# KiCad board keyboard.kicad_pcb (continued)
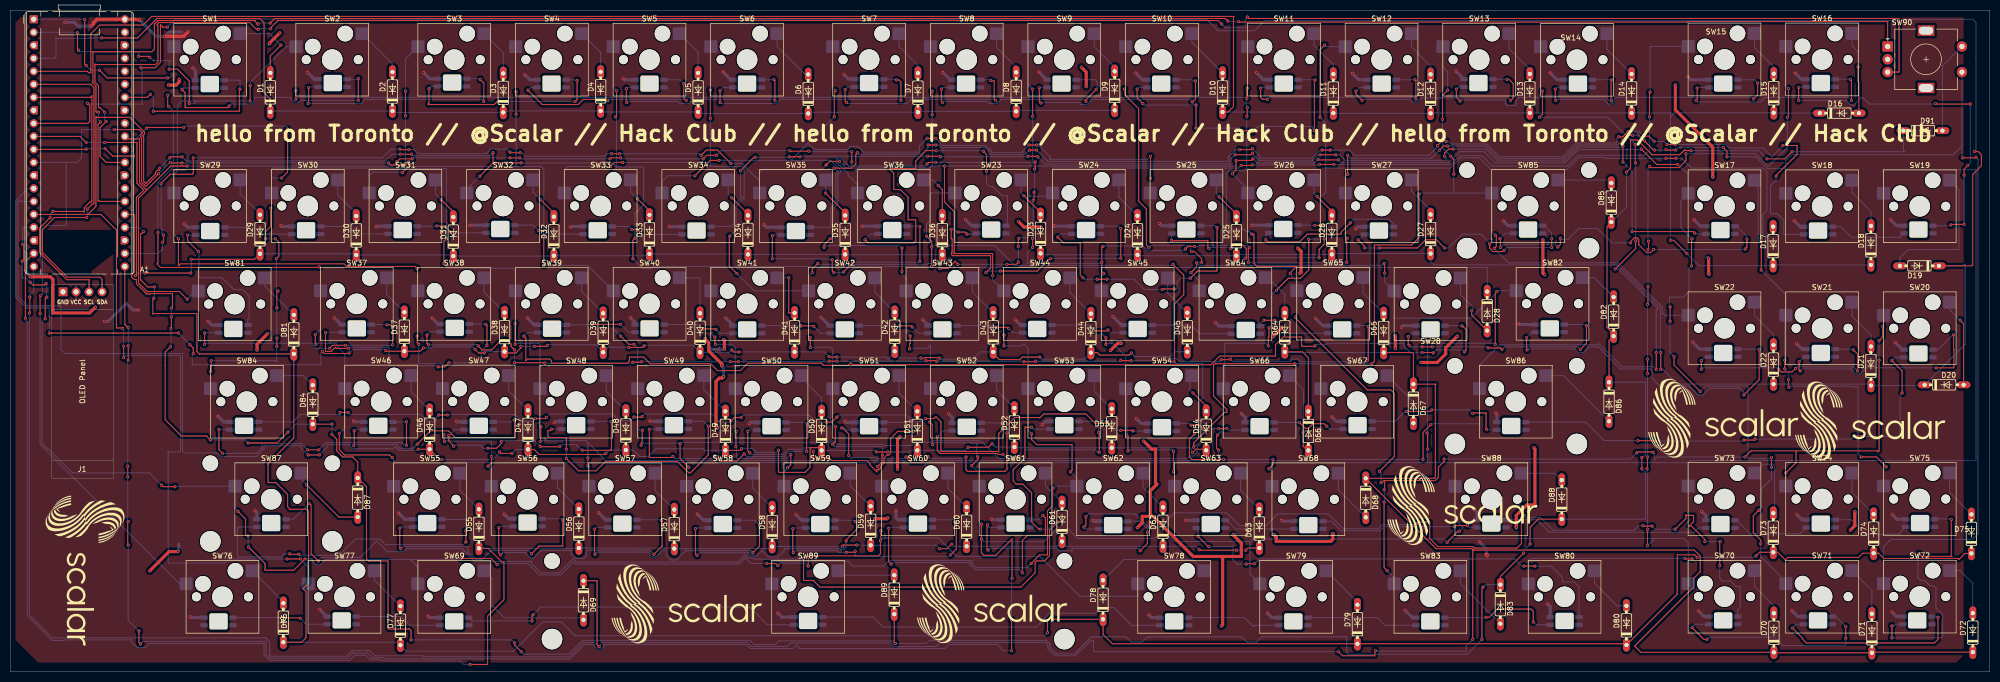
[diagram p0: board, top side]
## Routing (per net, layer and track width the routed paths; a pad name or vN(x,y) marks a point on that pad's centre or on a via; arc(x,y) is an arc through that point) (continued)
Net-(LED36-DOUT): length 203.9
  Top w0.2: v1(104.32,60.22) 104.22,60.32 v1(98.43,60.32) ; v1(238.12,61.03) 238.03,60.93 v1(236.33,60.93) ; v1(178.72,60.72) 180.72,60.72 v1(180.82,60.62) ; v1(121.53,60.43) 123.12,60.43 v1(123.22,60.53) ; v1(81.62,63.82) 81.32,64.12 v1(81.32,65.72) ; v1(197.82,60.53) 200.03,60.53 v1(200.12,60.62) ; v1(265.03,67.43) 265.03,60.93 v1(264.83,60.72) ; v1(159.82,60.62) v1(161.32,60.62) ; v1(91.32,63.62) 92.12,62.82 93.93,62.82 95.93,64.82 96.82,64.82 97.62,64.03 97.72,64.03 97.72,63.53 v1(98.43,62.82) ; v1(218.72,60.72) 216.82,60.72 v1(216.72,60.82) ; v1(140.53,60.53) v1(142.12,60.53)
  Bottom w0.2: v1(265.03,67.43) 264.88,67.57 LED45.4 ; v1(98.43,62.82) v1(98.43,60.32) ; v1(264.83,60.72) 264.63,60.53 251.83,60.53 251.33,61.03 250.22,61.03 249.72,60.53 238.62,60.53 v1(238.12,61.03) ; v1(123.22,60.53) v1(140.53,60.53) ; v1(91.32,63.62) 91.12,63.82 v1(81.62,63.82) ; LED36.2 81.97,66.38 v1(81.32,65.72) ; v1(159.82,60.62) 159.72,60.53 v1(142.12,60.53) ; v1(178.72,60.72) 178.62,60.62 v1(161.32,60.62) ; v1(121.53,60.43) 121.32,60.22 v1(104.32,60.22) ; v1(236.33,60.93) 235.92,60.53 228.22,60.53 227.62,61.12 226.53,61.12 226.12,60.72 v1(218.72,60.72) ; v1(200.12,60.62) 216.53,60.62 v1(216.72,60.82) ; v1(180.82,60.62) 197.72,60.62 v1(197.82,60.53)
Net-(LED37-DIN): length 14.1
  Top w0.2: v1(119.12,67.82) v1(113.53,67.82)
  Bottom w0.2: v1(119.12,67.82) 120.67,66.28 LED38.2 ; v1(113.53,67.82) 112.42,67.82 112.32,67.72 LED37.4
Net-(LED37-DOUT): length 211.2
  Top w0.2: v1(283.83,62.43) 284.12,62.72 284.12,66.82 283.43,67.53 v1(283.33,67.53) ; v1(100.22,65.53) 100.62,65.12 100.62,60.73 100.92,61.03 105.32,61.03 105.62,60.72 105.62,60.22 120.42,60.22 120.82,60.62 120.82,61.43 123.62,61.43 124.92,60.12 136.69,60.12 138.03,58.78 142.48,58.78 143.92,60.22 158.32,60.22 158.72,59.82 163.53,59.82 164.03,60.32 164.42,59.93 234.36,59.93 236.06,61.62 246.92,61.62 246.92,63.82 248.53,65.43 248.62,65.32 252.03,65.32 252.03,63.62 252.12,63.53 254.53,63.53 v1(254.62,63.62) ; v1(275.53,62.32) 277.62,62.32 v1(277.73,62.22)
  Bottom w0.2: LED46.4 283.28,67.57 v1(283.33,67.53) ; v1(254.62,63.62) 254.92,63.93 256.83,63.93 257.02,64.12 272.03,64.12 272.03,63.53 273.23,62.32 v1(275.53,62.32) ; v1(283.83,62.43) 283.43,62.82 278.33,62.82 v1(277.73,62.22) ; v1(100.22,65.53) 100.93,66.22 LED37.2
Net-(LED38-DIN): length 14.2
  Top w0.2: v1(137.72,66.82) 137.62,66.93 135.22,66.93 v1(135.12,66.82)
  Bottom w0.2: LED39.2 138.47,66.07 v1(137.72,66.82) ; v1(135.12,66.82) 134.17,67.78 LED38.4
Net-(LED39-DIN): length 14.1
  Top w0.2: v1(156.82,67.43) 156.72,67.53 v1(154.32,67.53)
  Bottom w0.2: v1(156.82,67.43) 158.17,66.07 LED40.2 ; v1(154.32,67.53) 154.28,67.57 LED39.4
Net-(LED40-DIN): length 14.1
  Top w0.2: v1(176.03,67.32) 175.82,67.53 v1(173.62,67.53)
  Bottom w0.2: LED40.4 173.57,67.57 v1(173.62,67.53) ; v1(176.03,67.32) 177.28,66.07 LED41.2
Net-(LED41-DIN): length 13.5
  Top w0.2: v1(192.53,67.22) 194.62,67.22 v1(194.82,67.03)
  Bottom w0.2: LED41.4 192.17,67.57 v1(192.53,67.22) ; v1(194.82,67.03) 195.67,66.18 LED42.2
Net-(LED42-DIN): length 14.8
  Top w0.2: v1(214.22,66.72) 214.03,66.53 211.53,66.53 v1(211.42,66.62)
  Bottom w0.2: v1(211.42,66.62) 210.38,67.68 LED42.4 ; LED43.2 214.78,66.18 v1(214.22,66.72)
Net-(LED43-DIN): length 16.2
  Bottom w0.2: LED44.2 232.17,65.97 230.47,67.68 LED43.4
Net-(LED44-DIN): length 16.1
  Top w0.2: v1(246.8,68.62) 245.03,68.62 245.03,68.62 v1(244.62,68.62)
  Bottom w0.2: LED45.2 247.58,66.07 246.8,66.84 v1(246.8,68.62) ; LED44.4 243.92,67.92 v1(244.62,68.62)
Net-(LED46-DOUT): length 47.3
  Top w0.2: v1(307.62,67.53) 307.62,64.12 v1(306.43,62.93) ; v1(291.12,62.93) 290.83,63.22 v1(288.43,63.22) ; v1(273.03,63.72) 272.83,63.93 v1(272.83,65.43) ; v1(275.53,63.43) v1(277.53,63.43)
  Bottom w0.2: v1(272.83,65.43) 273.48,66.07 LED46.2 ; v1(306.43,62.93) 305.93,63.43 291.62,63.43 v1(291.12,62.93) ; LED47.4 307.38,67.78 v1(307.62,67.53) ; v1(275.53,63.43) 273.33,63.43 v1(273.03,63.72) ; v1(288.43,63.22) 288.23,63.43 v1(277.53,63.43)
Net-(LED47-DOUT): length 68.6
  Top w0.2: v1(295.93,65.22) 295.93,62.93 v1(296.03,62.82) ; v1(341.33,62.93) 341.33,57.03 v1(338.33,54.03)
  Bottom w0.2: LED47.2 296.98,66.28 v1(295.93,65.22) ; v1(338.33,54.03) 338.33,54.55 337.53,55.35 331.65,55.35 330.33,54.03 329.43,54.03 327.83,55.62 327.83,55.75 322,55.75 320.43,57.32 320.43,58.87 320.17,59.12 314.23,59.12 309.93,63.43 307.83,63.43 307.83,63.03 307.12,62.32 306.03,62.32 305.33,63.03 296.23,63.03 v1(296.03,62.82) ; LED48.4 341.28,62.97 v1(341.33,62.93)
Net-(LED48-DOUT): length 43.3
  Top w0.2: v1(359.73,62.82) 360.53,62.03 v1(360.53,58.72) ; v1(345.12,59.03) 345.63,58.52 347.72,58.52 v1(348.43,59.22) ; v1(330.03,60.72) v1(330.03,59.03)
  Bottom w0.2: v1(345.12,59.03) 344.83,59.32 330.33,59.32 v1(330.03,59.03) ; LED48.2 330.78,61.47 v1(330.03,60.72) ; v1(359.73,62.82) 359.58,62.97 LED49.4 ; v1(348.43,59.22) 348.72,59.52 359.73,59.52 v1(360.53,58.72)
Net-(LED49-DOUT): length 46.4
  Top w0.2: v1(379.27,65.76) 379.27,62.99 379.33,62.93 379.33,59.43 379.23,59.32 v1(375.83,59.32) ; v1(349.12,60.53) 349.12,58.93 v1(349.33,58.72)
  Bottom w0.2: v1(375.83,59.32) 362.12,59.32 360.93,58.12 360.22,58.12 359.23,59.12 349.72,59.12 v1(349.33,58.72) ; v1(349.12,60.53) 350.08,61.47 LED49.2 ; v1(379.27,65.76) 379.12,65.76 376.24,62.88 LED50.4
Net-(LED50-DOUT): length 93.5
  Top w0.2: v1(340.53,45.43) 340.33,45.22 v1(338.33,45.22) ; v1(367.23,60.72) 369.23,58.72 v1(369.23,54.43) ; v1(361.53,45.93) 361.43,46.03 v1(359.93,46.03) ; v1(321.03,45.03) 320.93,45.12 v1(317.62,45.12)
  Bottom w0.2: LED51.4 307.43,48.72 311.03,45.12 v1(317.62,45.12) ; v1(321.03,45.03) 338.12,45.03 v1(338.33,45.22) ; v1(369.23,54.43) 368.83,54.03 368.83,46.03 368.73,45.93 v1(361.53,45.93) ; v1(359.93,46.03) 359.33,45.43 v1(340.53,45.43) ; LED50.2 367.88,61.38 v1(367.23,60.72)
Net-(LED51-DOUT): length 28.8
  Top w0.2: v1(285.43,50.43) 285.53,50.53 288.03,50.53 288.03,47.43 v1(288.12,47.32) ; v1(272.53,50.82) 277.12,50.82 v1(277.43,51.12)
  Bottom w0.2: v1(285.43,50.43) 284.73,51.12 v1(277.43,51.12) ; v1(272.53,50.82) 272.43,50.72 272.12,50.72 270.28,48.88 LED52.4 ; LED51.2 288.23,47.22 v1(288.12,47.32)
Net-(LED52-DOUT): length 14.9
  Top w0.2: v1(256.93,47.93) 256.43,48.43 254.12,48.43 254.12,48.28 253.37,47.52 252.73,47.52 v1(251.62,48.62)
  Bottom w0.2: LED52.2 257.48,47.38 v1(256.93,47.93) ; v1(251.62,48.62) 251.58,48.68 LED53.4
Net-(LED53-DOUT): length 14.1
  Top w0.2: v1(232.81,47.46) 232.14,48.12 v1(230.42,48.12) ; v1(235.84,47.46) 237.36,47.46 v1(237.42,47.53)
  Bottom w0.2: v1(232.81,47.46) 232.84,47.43 235.81,47.43 v1(235.84,47.46) ; v1(237.42,47.53) 237.78,47.18 LED53.2 ; v1(230.42,48.12) 230.07,48.47 LED54.4
Net-(LED54-DOUT): length 195.1
  Top w0.2: v1(219.12,47.03) 219.03,47.12 v1(216.72,47.12) ; v1(159.32,48.72) 160.32,48.72 v1(161.32,49.72) ; v1(83.62,50.12) v1(85.32,50.12) ; v1(123.32,49.82) 123.22,49.72 v1(121.72,49.72) ; v1(213.92,48.62) 213.82,48.53 211.72,48.53 209.92,50.33 201.73,50.33 200.92,49.53 200.82,49.62 196.03,49.62 192.92,46.53 192.92,42.93 192.82,43.03 181.62,43.03 181.62,48.82 180.62,49.82 180.22,49.43 v1(178.62,49.43) ; v1(104.62,49.62) 104.43,49.43 v1(102.53,49.43) ; v1(64.32,50.62) v1(65.93,50.62) ; v1(140.62,48.93) 141.32,49.62 v1(142.62,49.62)
  Bottom w0.2: v1(65.93,50.62) 66.32,50.22 80.12,50.22 81.53,48.82 82.82,48.82 83.12,49.12 83.12,49.62 v1(83.62,50.12) ; v1(142.62,49.62) 143.13,50.13 155.82,50.13 157.22,48.72 v1(159.32,48.72) ; v1(219.12,47.03) 219.17,46.97 LED54.2 ; v1(85.32,50.12) 85.43,50.23 98.42,50.23 99.72,48.93 102.03,48.93 v1(102.53,49.43) ; v1(140.62,48.93) 140.42,48.72 138.53,48.72 136.92,50.33 123.83,50.33 v1(123.32,49.82) ; v1(178.62,49.43) 178.03,48.82 176.22,48.82 174.92,50.13 161.73,50.13 v1(161.32,49.72) ; v1(104.62,49.62) 105.33,50.33 117.52,50.33 118.82,49.03 121.03,49.03 v1(121.72,49.72) ; v1(216.72,47.12) 215.42,47.12 v1(213.92,48.62) ; v1(64.32,50.62) 64.32,50.03 64.22,49.93 63.93,50.22 56.63,50.22 55.18,48.78 LED63.4
Net-(LED55-DIN): length 50
  Top w0.2: v1(180.92,45.88) 180.92,43.16 181.46,42.62 192.62,42.62 192.82,42.43 v1(193.72,42.43) ; v1(212.42,46.72) 212.53,46.62 v1(212.53,42.82)
  Bottom w0.2: v1(193.72,42.43) 194.12,42.03 197.82,42.03 198.02,42.22 198.02,43.22 197.92,43.31 211.74,43.31 212.22,42.82 v1(212.53,42.82) ; LED55.4 212.57,48.88 212.62,48.82 212.42,48.62 v1(212.42,46.72) ; v1(180.92,45.88) 182.11,47.07 LED56.2
Net-(LED55-DOUT): length 217
  Top w0.2: v1(60.13,21.62) 58.73,23.03 58.73,32.53 58.43,32.82 v1(58.32,32.82) ; v1(204.42,29.22) 202.83,27.63 202.83,22.66 201.79,21.63 200.29,21.63 200.03,21.36 200.03,19.32 197.22,16.53 158.03,16.53 156.72,17.82 154.82,17.82 v1(154.82,22.18) ; v1(201.03,27.82) 200.72,27.82 199.32,29.22 199.32,34.93 197.62,36.62 196.32,36.62 195.72,37.22 195.72,39.43 198.03,41.72 198.03,47.82 198.12,47.72 v1(199.32,47.72)
  Bottom w0.2: v1(58.32,32.82) 55.27,29.78 LED64.4 ; v1(204.42,29.22) 203.92,29.22 202.53,27.82 v1(201.03,27.82) ; v1(154.82,22.18) 154.63,21.98 145.32,21.98 145.08,22.22 144.03,22.22 143.42,22.82 142.02,21.42 110.43,21.42 109.82,22.03 107.12,19.32 103.53,19.32 101.72,21.12 101.72,21.62 101.62,21.52 90.66,21.52 88.16,24.02 77.22,24.02 76.63,23.42 73.63,23.42 71.53,25.53 68.32,22.32 60.82,22.32 v1(60.13,21.62) ; v1(199.32,47.72) 199.67,47.38 LED55.2
Net-(LED56-DIN): length 57.7
  Top w0.2: v1(163.62,42.22) 163.62,46.43 162.44,47.6 v1(162.25,47.6) ; v1(174.82,41.93) 175.92,40.82 177.92,40.82 v1(179.12,42.03) ; v1(194.53,46.62) 194.53,39.53 194.12,39.12 186.82,39.12 186.53,39.43 v1(186.53,41.93)
  Bottom w0.2: v1(186.53,41.93) 186.23,41.63 179.52,41.63 v1(179.12,42.03) ; v1(194.53,46.62) 194.53,47.22 193.17,48.57 LED56.4 ; v1(163.62,42.22) 164.03,41.82 164.03,41.72 164.12,41.63 164.22,41.63 164.42,41.83 168.82,41.83 169.02,41.63 174.53,41.63 v1(174.82,41.93) ; LED57.2 163.17,47.18 162.75,47.6 v1(162.25,47.6)
Net-(LED57-DIN): length 55.6
  Top w0.2: v1(176.32,46.93) 173.19,46.93 171.83,45.56 171.83,42.68 171.47,42.32 171.1,42.32 170.53,41.75 170.53,40.76 169.83,40.06 169.83,39.78 169.47,39.42 169.12,39.42 169.12,39.03 167.82,40.32 167.82,40.58 167.18,41.22 160.32,41.22 159.42,42.12 159.42,42.03 158.92,41.53 157.72,41.53 157.28,41.97 156.72,41.43 v1(156.72,43.03) ; v1(144.32,42.72) 143.92,43.12 v1(143.92,46.93)
  Bottom w0.2: v1(144.32,42.72) 144.62,42.43 150.91,42.43 151.91,43.43 154.83,43.43 155.12,43.72 156.03,43.72 v1(156.72,43.03) ; v1(143.92,46.93) 144.17,47.18 LED58.2 ; LED57.4 174.57,48.68 v1(176.32,46.93)
Net-(LED58-DIN): length 49.9
  Top w0.2: v1(124.72,47.32) 124.72,41.82 129.12,41.82 v1(129.32,42.03) ; v1(155.42,43.03) 155.42,48.22 v1(155.53,48.32) ; v1(143.22,42.53) 141.82,41.12 138.53,41.12 v1(137.53,42.12)
  Bottom w0.2: v1(137.53,42.12) 137.03,41.63 129.72,41.63 v1(129.32,42.03) ; v1(143.22,42.53) 143.72,42.03 151.08,42.03 152.08,43.03 154.92,43.03 v1(155.42,43.03) ; LED58.4 155.17,48.68 v1(155.53,48.32) ; v1(124.72,47.32) 124.78,47.38 126.72,47.38
Net-(LED59-DIN): length 53.4
  Top w0.2: v1(108.53,41.62) 110.92,39.22 114.32,39.22 116.12,41.03 130.22,41.03 132.42,38.82 132.72,38.82 136.22,42.32 v1(136.22,47.93) ; v1(108.53,43.43) 108.53,45.72 105.22,45.72 104.92,46.03 104.92,47.02 104.97,47.06 105.34,47.06 v1(105.66,47.38)
  Bottom w0.2: LED59.4 135.28,48.88 v1(136.22,47.93) ; v1(105.66,47.38) 107.67,47.38 ; v1(108.53,43.43) v1(108.53,41.62)
Net-(LED60-DIN): length 48.9
  Top w0.2: v1(117.32,48.82) 117.32,43.32 117.23,43.23 v1(111.64,43.23) ; v1(103.43,44.03) 103.53,43.92 107.17,43.92 v1(107.25,44) ; v1(86.52,44.03) 86.52,44.12 85.58,45.07 v1(85.58,46.12) ; v1(95.82,44.92) 95.82,44.54 94.91,43.62 v1(93.22,43.62)
  Bottom w0.2: v1(107.25,44) 107.57,44.32 110.53,44.32 110.53,44.18 111.47,43.23 v1(111.64,43.23) ; v1(93.22,43.62) 92.32,43.62 91.72,44.22 86.72,44.22 v1(86.53,44.02) ; LED61.2 86.73,47.28 v1(85.58,46.12) ; 113.27,48.88 117.28,48.88 v1(117.32,48.82) ; v1(103.43,44.03) 102.43,45.03 102.43,45.12 96.02,45.12 v1(95.82,44.92)
Net-(LED61-DIN): length 46.4
  Top w0.2: v1(79.43,44.43) 82.03,47.03 85.52,47.03 86.82,45.72 98.43,45.72 v1(98.43,49.12) ; v1(67.03,44.12) 67.12,44.22 v1(67.12,47.03)
  Bottom w0.2: LED62.2 67.38,47.28 v1(67.12,47.03) ; v1(98.43,49.12) 98.03,49.12 97.68,48.78 LED61.4 ; v1(67.03,44.12) 67.22,44.32 75.32,44.32 76.02,43.62 78.62,43.62 v1(79.43,44.43)
Net-(LED62-DIN): length 52.9
  Top w0.2: v1(41.43,42.62) 40.73,43.32 v1(40.73,47.32) ; v1(77.32,44.22) v1(77.32,48.82) ; v1(58.02,43.32) v1(60.23,43.32)
  Bottom w0.2: v1(77.32,48.82) 77.28,48.78 LED62.4 ; v1(60.23,43.32) 61.62,44.72 76.43,44.72 76.93,44.22 v1(77.32,44.22) ; LED63.2 40.77,47.28 v1(40.73,47.32) ; v1(41.43,42.62) 48.06,42.62 49.13,43.69 49.13,44.53 56.82,44.53 v1(58.02,43.32)
Net-(LED64-DOUT): length 65.7
  Top w0.2: v1(88.93,27.53) v1(88.93,25.32) ; v1(54.52,23.03) 54.63,22.93 v1(56.32,22.93)
  Bottom w0.2: v1(54.52,23.03) 53.52,23.03 52.93,22.43 44.32,22.43 44.32,28.03 44.57,28.28 LED64.2 ; v1(88.93,25.32) 88.42,24.82 73.18,24.82 72.12,25.88 72.12,25.93 67.38,25.93 64.18,22.72 56.52,22.72 v1(56.32,22.93) ; LED65.4 84.22,29.72 88.93,29.72 v1(88.93,27.53)
Net-(LED65-DOUT): length 51
  Top w0.2: v1(101.72,23.03) 103.22,24.53 107.82,24.53 v1(107.82,29.62) ; v1(76.22,24.03) 76.03,24.22 v1(76.03,28.03)
  Bottom w0.2: LED65.2 76.28,28.28 v1(76.03,28.03) ; v1(101.72,23.03) 101.06,23.69 93.89,23.69 92.12,21.93 90.82,21.93 89.32,23.43 89.32,24.43 89.32,24.42 76.62,24.42 v1(76.22,24.03) ; v1(107.82,29.62) 107.57,29.88 LED66.4
Net-(LED66-DOUT): length 54.6
  Top w0.2: v1(95.72,22.82) 95.32,23.22 v1(95.32,28.12) ; v1(127.12,29.53) 127.22,29.43 127.22,24.53 v1(125.62,22.93)
  Bottom w0.2: LED66.2 95.57,28.38 v1(95.32,28.12) ; v1(125.62,22.93) 124.81,23.74 112.42,23.74 112.42,22.62 111.92,22.12 110.32,22.12 109.53,22.93 109.53,23.69 103.79,23.69 103.72,23.62 103.53,23.62 102.12,22.22 101.53,22.22 100.62,23.12 100.62,23.29 96.19,23.29 v1(95.72,22.82) ; LED67.4 126.97,29.68 v1(127.12,29.53)
Net-(LED67-DOUT): length 53.1
  Top w0.2: v1(144.92,23.22) 146.22,24.53 v1(146.22,28.62) ; v1(114.03,27.82) 114.03,23.03 v1(114.12,22.93)
  Bottom w0.2: LED68.4 145.28,29.57 v1(146.22,28.62) ; v1(114.12,22.93) 114.54,23.34 124.64,23.34 124.94,23.04 124.94,22.76 125.38,22.32 125.91,22.32 127.03,23.44 127.03,23.74 128.03,23.74 128.03,22.72 128.92,21.82 130.03,21.82 131.84,23.64 144.51,23.64 v1(144.92,23.22) ; LED67.2 114.38,28.18 v1(114.03,27.82)
Net-(LED68-DOUT): length 49.7
  Top w0.2: v1(163.12,25.53) 163.12,25.72 165.22,27.82 165.22,29.03 v1(164.92,29.32) ; v1(134.03,22.72) 133.72,23.03 v1(133.72,27.93)
  Bottom w0.2: v1(134.03,22.72) 134.54,23.24 144.22,23.24 144.22,23.08 144.68,22.62 145.71,22.62 146.72,23.64 147.94,22.43 149.82,22.43 151.12,23.72 151.12,24.03 151.14,24.04 161.92,24.04 162.04,23.92 162.72,23.92 163.12,24.33 v1(163.12,25.53) ; LED69.4 164.67,29.57 v1(164.92,29.32) ; v1(133.72,27.93) 133.88,28.07 LED68.2
Net-(LED69-DOUT): length 51.4
  Top w0.2: v1(163.12,23.32) 164.72,23.32 v1(164.92,23.53) ; v1(152.72,27.93) 152.72,23.32 v1(152.82,23.22) ; v1(183.53,22.82) 184.62,23.93 184.62,29.03 184.53,29.12 v1(184.53,29.22)
  Bottom w0.2: v1(164.92,23.53) 164.92,22.62 164.82,22.53 183.22,22.53 v1(183.53,22.82) ; LED70.4 184.07,29.68 v1(184.53,29.22) ; v1(152.82,23.22) 153.24,23.64 161.32,23.64 161.64,23.32 v1(163.12,23.32) ; LED69.2 152.88,28.07 v1(152.72,27.93)
Net-(LED70-DOUT): length 55.2
  Top w0.2: v1(201.53,30.53) 202.02,30.03 202.02,26.62 198.53,26.62 197.53,25.62 v1(197.53,19.32) ; v1(171.42,28.03) 171.42,21.53 v1(171.92,21.03)
  Bottom w0.2: LED70.2 171.57,28.18 v1(171.42,28.03) ; v1(201.53,30.53) 200.67,29.68 LED71.4 ; v1(197.53,19.32) 196.93,19.92 188.31,19.92 187.32,20.91 187.32,21.32 172.22,21.32 v1(171.92,21.03)
Net-(LED71-DOUT): length 48.3
  Top w0.2: v1(221.92,27.22) 221.92,25.03 v1(220.53,23.62) ; v1(190.73,28.69) 190.62,28.59 190.62,23.93 v1(190.82,23.72)
  Bottom w0.2: v1(190.82,23.72) 191.19,24.09 204.26,24.09 204.72,23.62 207.22,23.62 207.22,23.99 207.32,24.09 220.32,24.09 220.32,23.82 v1(220.53,23.62) ; v1(190.73,28.69) 190.73,28.41 190.97,28.18 LED71.2 ; v1(221.92,27.22) 221.92,27.86 220.34,29.44 220.28,29.38 LED72.4
Net-(LED72-DOUT): length 171.2
  Top w0.2: v1(209.53,28.22) 209.92,28.62 v1(209.92,30.32) ; v1(318.62,28.53) 318.73,28.43 v1(320.43,28.43) ; v1(324.93,27.82) 327.03,29.93 327.03,30.62 327.12,30.53 328.53,30.53 328.53,29.32 327.62,28.43 328.12,28.43 330.73,25.82 v1(330.73,25.42) ; v1(274.73,29.03) 274.93,29.22 277.03,29.22 277.03,26.03 278.62,24.43 285.49,24.43 285.77,24.15 294.05,24.15 294.93,25.03 294.93,30.03 v1(295.43,30.53) ; v1(333.73,25.42) 333.62,25.32 v1(333.62,20.72)
  Bottom w0.2: v1(209.92,30.32) 210.43,30.83 219.52,30.83 222.12,28.22 224.42,28.22 227.23,31.03 237.41,31.03 239.91,28.53 245.12,28.53 245.12,28.57 247.38,30.83 257.22,30.83 260.12,27.93 267.03,27.93 267.83,28.73 274.43,28.73 v1(274.73,29.03) ; v1(209.53,28.22) 209.88,27.88 LED72.2 ; v1(320.43,28.43) 321.03,27.82 v1(324.93,27.82) ; v1(333.73,25.42) 333.72,25.43 330.73,25.43 v1(330.73,25.42) ; v1(295.43,30.53) 295.43,30.43 295.73,30.12 298.62,30.12 301.12,27.62 316.93,27.62 317.83,28.53 v1(318.62,28.53) ; LED81.4 337.11,12.11 337.62,12.62 337.62,16.62 336.83,16.62 335.73,17.72 334.12,17.72 333.62,18.22 v1(333.62,20.72)
Net-(LED73-DIN): length 14.2
  Bottom w0.2: LED74.2 239.14,27.88 237.43,29.57 LED73.4
Net-(LED73-DOUT): length 89.3
  Top w0.2: v1(242.84,21.09) 241.29,21.09 v1(241.22,21.03) ; v1(297.53,20.62) v1(295.43,20.62) ; v1(231.82,26.43) 233.83,24.42 v1(233.92,24.42)
  Bottom w0.2: LED82.4 306.15,16.6 305.23,17.53 302.93,17.53 302.93,18.43 300.73,20.62 v1(297.53,20.62) ; v1(241.22,21.03) 239.42,21.03 238.62,21.82 238.62,24.62 238.43,24.42 v1(233.92,24.42) ; v1(231.82,26.43) 231.82,27.75 LED73.2 ; v1(242.84,21.09) 243.77,22.02 293.63,22.02 295.03,20.62 v1(295.43,20.62)
Net-(LED74-DIN): length 31.4
  Top w0.2: v1(281.83,28.32) 282.03,28.53 v1(284.43,28.53)
  Bottom w0.2: LED74.4 257.88,29.38 259.73,27.53 267.33,27.53 268.12,28.32 v1(281.83,28.32) ; LED75.2 284.78,28.18 v1(284.43,28.53)
Net-(LED75-DIN): length 40.5
  Bottom w0.2: LED75.4 297.98,29.68 300.43,27.22 328.62,27.22 329.48,28.07 LED76.2
Net-(LED76-DIN): length 15.6
  Bottom w0.2: LED77.2 349.31,26.92 339.56,26.92 336.91,29.57 LED76.4
Net-(LED77-DIN): length 15.7
  Bottom w0.2: LED77.4 359.28,29.68 362.13,26.82 368.73,26.82 368.73,27.07 LED78.2
Net-(LED78-DIN): length 50.9
  Top w0.2: v1(367.23,6.62) v1(367.23,8.93) ; v1(378.83,29.72) 378.83,22.53 378.93,22.53 373.02,22.53 v1(372.53,23.03)
  Bottom w0.2: v1(372.53,23.03) 372.33,22.82 372.33,18.32 372.83,17.82 373.62,17.82 374.62,16.82 375.33,16.82 375.83,16.32 375.83,12.43 377.12,11.12 377.12,6.93 376.83,6.62 v1(367.23,6.62) ; LED79.2 367.88,9.28 367.53,8.93 v1(367.23,8.93) ; v1(378.83,29.72) 378.73,29.82 375.58,29.82 LED78.4
Net-(LED79-DIN): length 38.1
  Top w0.2: v1(347.83,8.53) 349.83,6.53 349.83,6.32 350.53,5.62 375.53,5.62 376.23,6.32 v1(376.23,10.62)
  Bottom w0.2: v1(376.23,10.62) 376.08,10.78 LED79.4 ; v1(347.83,8.53) 348.58,9.28 LED80.2
Net-(LED80-DIN): length 42.3
  Top w0.2: v1(328.23,8.62) 330.53,6.32 v1(331.12,6.32) ; v1(358.23,8.82) v1(358.23,6.53)
  Bottom w0.2: v1(358.23,6.53) 358.23,5.32 358.03,5.12 345.93,5.12 344.33,6.72 331.53,6.72 v1(331.12,6.32) ; v1(328.23,8.62) 328.88,9.28 LED81.2 ; v1(358.23,8.82) 356.28,10.78 LED80.4
Net-(LED82-DOUT): length 23.8
  Top w0.2: v1(288.03,10.62) 288.62,10.62 290.23,12.22 296.83,12.22 297.23,11.82 v1(297.23,9.72)
  Bottom w0.2: LED82.2 297.88,9.18 297.33,9.72 v1(297.23,9.72) ; LED83.4 287.98,10.57 v1(288.03,10.62)
Net-(LED83-DOUT): length 21.8
  Bottom w0.2: LED84.4 266.78,10.57 268.28,9.07 LED83.2
Net-(LED84-DOUT): length 18.5
  Bottom w0.2: LED84.2 242.87,9.07 242.62,8.82 240.87,10.57 LED85.4
Net-(LED85-DOUT): length 69.8
  Bottom w0.2: LED85.2 219.17,9.07 219.03,8.93 215.42,12.53 212.82,12.53 211.72,11.43 202.92,11.43 200.22,8.72 170.32,8.72 168.38,10.68 LED86.4
Net-(LED86-DOUT): length 66.9
  Top w0.2: v1(101.82,9.93) 101.82,10.93 v1(102.03,11.13)
  Bottom w0.2: LED86.2 147.78,9.18 144.32,12.62 103.52,12.62 v1(102.03,11.13) ; LED87.4 90.11,9.93 v1(101.82,9.93)
Net-(LED87-DOUT): length 17.1
  Bottom w0.2: LED87.2 77.97,9.07 76.28,10.78 LED88.4
Net-(LED88-DOUT): length 19
  Top w0.2: v1(56.63,10.43) 56.52,10.53 v1(53.52,10.53)
  Bottom w0.2: LED88.2 57.68,9.28 57.52,9.43 57.52,9.53 v1(56.63,10.43) ; LED89.4 53.48,10.57 v1(53.52,10.53)

## Copper pours and planes (outline as drawn; the poured copper is in the pictures)
+5V on Top: 381.25,127.73 381.25,3.24 379.8,1.78 5.44,1.78 1.02,6.21 1.02,126.72 2.04,127.73
GND on Bottom: 1.01,127.73 379.16,127.73 381.25,125.64 381.25,3.24 379.8,1.78 5.44,1.78 1.01,6.22

## Text on the board
F.Silkscreen: hello from Toronto // @Scalar // Hack Club // hello from Toronto // @Scalar // Hack Club // hello from Toronto // @Scalar // Hack Club
